# KiCad board analog_i.kicad_pcb (continued)
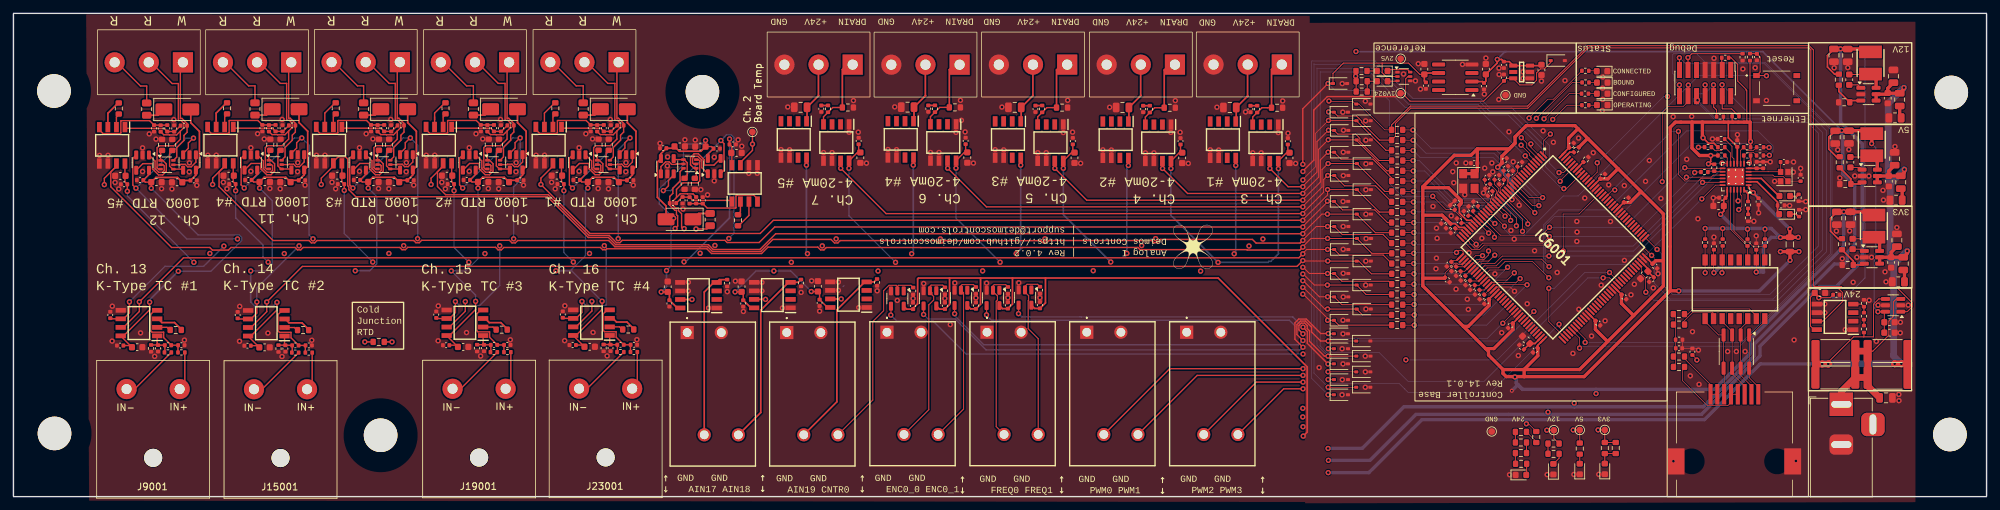
[diagram p0: board, top side]
## Routing (per net, layer and track width the routed paths; a pad name or vN(x,y) marks a point on that pad's centre or on a via; arc(x,y) is an arc through that point) (continued)
/analog_frontend/FREQ1_PRE: length 25.5
  Top w0.15: J3005.4 152.47,23.53 150.98,25.02 150.98,29.19 151.05,29.25 151.05,29.93 150.5,30.47 U3003.2 150.5,31.33 150.81,31.63 152.38,31.63 R3006.1
/analog_frontend/K-Type TC Amp1/Signal+: length 10.2
  Top w0.2: IC15001.4 39.97,27.74 39.37,27.13 39.37,24.68 39.58,24.47 41.3,24.47 41.3,23.66 C15002.1 C15001.1 43.43,22.5 R15001.2
/analog_frontend/K-Type TC Amp1/Signal-: length 4.5
  Top w0.2: C15002.2 41.45,22.54 C15003.1 ; C15003.1 40.33,22.67 IC15001.1 ; C15003.1 40.44,22.57 R15003.1 ; 41.53,22.47 41.48,22.43 41.48,21.47
/analog_frontend/K-Type TC Amp2/Signal+: length 10.2
  Top w0.2: R19001.2 72.98,22.57 73.01,22.6 C19002.1 70.85,23.73 70.85,24.54 69.13,24.54 68.92,24.75 68.92,27.2 69.53,27.81 IC19001.4
/analog_frontend/K-Type TC Amp2/Signal-: length 4.5
  Top w0.2: 70.01,22.62 69.88,22.74 IC19001.1 ; 70.01,22.62 69.98,22.64 R19003.1 ; 70.01,22.62 71.01,22.62 C19002.2 ; 71.08,22.53 71.03,22.5 71.03,21.53
/analog_frontend/K-Type TC Amp3/Signal+: length 10.2
  Top w0.2: IC23001.4 88.35,27.83 87.75,27.22 87.75,24.78 87.95,24.57 89.67,24.57 89.67,23.76 C23002.1 C23001.1 91.81,22.6 91.81,21.55
/analog_frontend/K-Type TC Amp3/Signal-: length 4.5
  Top w0.2: R23003.1 88.81,22.66 C23003.1 ; C23002.2 89.83,22.64 C23003.1 ; 89.86,21.56 89.86,22.52 89.9,22.56 ; C23003.1 88.71,22.76 IC23001.1
/analog_frontend/K-Type TC Amp/Signal+: length 10.2
  Top w0.2: R9001.2 24.48,22.53 C9001.1 C9002.1 22.35,23.69 22.35,24.5 20.63,24.5 20.42,24.71 20.42,27.16 21.02,27.76 IC9001.4
/analog_frontend/K-Type TC Amp/Signal-: length 4.5
  Top w0.2: C9003.1 21.38,22.7 IC9001.1 ; C9003.1 22.5,22.57 C9002.2 ; C9003.1 21.48,22.59 R9003.1 ; 22.57,22.49 22.54,22.45 22.54,21.49
/analog_frontend/PWM0: length 92.1
  Top w0.1: v1(237.48,33.39) 238.94,31.93 IC6001.97 ; D1021.1 195.61,18.58 v1(195.59,18.6)
  Top w0.2: v1(191.87,19.06) 172.04,19.06 J3002.3
  In2.Cu w0.1: v1(207.17,20.37) 206.02,19.22 196.21,19.22 v1(195.59,18.6)
  In2.Cu w0.2: 191.86,19.13 192.39,18.6 v1(195.59,18.6)
  Bottom w0.1: 237.45,33.41 237.48,33.44 v1(237.48,33.39) 233.79,33.39 220.77,20.37 v1(207.17,20.37)
/analog_frontend/PWM1: length 74.8
  Top w0.1: v1(229.97,25.68) 229.97,25.26 IC6001.75 ; v1(195.6,17.44) 195.61,17.43 D1022.1
  Top w0.2: v1(191.87,18.06) 176.12,18.06 J3002.4
  In2.Cu w0.2: v1(195.6,17.44) 194.91,18.13 191.86,18.13
  Bottom w0.1: 207.02,16.02 206.9,16.15 ; 207.02,16.02 206.17,16.87 196.17,16.87 v1(195.6,17.44) ; 207.02,16.02 207.55,15.5 219.76,15.5 229.95,25.68 v1(229.97,25.68) 229.97,25.7 229.96,25.69
/analog_frontend/PWM2: length 124
  Top w0.1: IC6001.139 232.22,49.15 230.13,47.05 v1(230.13,46.98) ; D1023.1 v1(195.61,16.29)
  Top w0.2: v1(191.87,17.06) 184.91,17.06 J3003.3
  In2.Cu w0.2: v1(195.61,16.29) 194.77,17.13 191.86,17.13
  Bottom w0.1: v1(195.61,16.29) 193.5,18.4 193.5,64.47 193.55,64.42 202.35,64.42 207.9,58.87 218.16,58.87 219.63,57.4 222.63,57.4 227.95,52.08 227.95,49.16 v1(230.13,46.98) 230.12,46.99
/analog_frontend/PWM3: length 116.1
  Top w0.1: D1024.1 v1(195.6,15.17) ; v1(229.96,48.28) 230.64,48.28 IC6001.140
  Top w0.2: v1(191.87,16.06) 188.99,16.06 J3003.4
  In2.Cu w0.2: v1(195.6,15.17) 194.64,16.13 191.86,16.13
  Bottom w0.1: 219.65,57.91 222.96,57.91 228.51,52.36 228.51,49.69 229.91,48.29 229.93,48.29 v1(229.96,48.28) 229.95,48.29 229.94,48.29 ; 219.65,57.91 218.24,59.32 208.22,59.32 202.62,64.92 193.2,64.92 193.12,64.85 193.12,17.65 v1(195.6,15.17) ; 219.65,57.91 219.56,57.91
/analog_frontend/RTD Amp1/rtd_amp_inner/250uA_SINK_1: length 16.9
  Top w0.2: U13001.6 72.91,50.62 72.91,52.03 73.98,53.1 73.98,53.85 74.45,54.31 R13005.2 74.45,55.62 73.68,56.38 73.45,56.38 73.45,64.72 73.76,65.03 ; 73.45,65.64 73.81,66
/analog_frontend/RTD Amp1/rtd_amp_inner/250uA_SINK_2: length 25.9
  Top w0.2: 73.44,54.47 73.44,53.27 72.47,52.3 70.28,52.3 69.98,52 69.98,49.02 70.18,48.82 70.51,48.82 ; 73.44,54.47 73.97,55 73.97,55.65 73.55,56.07 73.15,56.07 73.15,61.58 72.13,61.58 68.68,65.03 ; 73.44,54.47 72.89,53.92 71.83,53.92 71.81,53.94 70.98,53.94 R13004.2
/analog_frontend/RTD Amp1/rtd_amp_inner/R+: length 9
  Top w0.2: R13003.2 68.44,61.2 67.42,61.2 63.6,65.03
/analog_frontend/RTD Amp1/rtd_amp_inner/Signal+: length 12.8
  Top w0.2: IC13001.4 61.39,54.67 61.94,54.12 64.48,54.12 64.59,54.23 64.59,55.99 64.65,56.04 68.87,56.04 C13001.2 C13002.1
/analog_frontend/RTD Amp1/rtd_amp_inner/Signal-: length 8.9
  Top w0.2: IC13001.1 65.38,54.9 69.95,54.9 69.97,54.88 71.03,54.88 C13002.2 72.52,54.42 C13003.1 72.58,54.4 R13005.1
/analog_frontend/RTD Amp2/rtd_amp_inner/250uA_SINK_1: length 17
  Top w0.2: 57.51,65.05 57.11,64.65 57.11,56.38 57.35,56.38 58.11,55.62 R17005.2 58.11,54.31 57.65,53.85 57.65,53.1 56.57,52.03 56.57,50.62 U17001.6 ; 57.11,65.64 57.47,66
/analog_frontend/RTD Amp2/rtd_amp_inner/250uA_SINK_2: length 25.8
  Top w0.2: 57.11,54.47 57.63,55 57.63,55.65 57.21,56.07 56.81,56.07 56.81,61.58 55.9,61.58 52.43,65.05 ; 57.11,54.47 56.55,53.92 55.49,53.92 55.47,53.94 54.64,53.94 R17004.2 ; 57.11,54.47 57.11,53.27 56.13,52.3 53.94,52.3 53.64,52 53.64,49.02 53.84,48.82 U17001.3
/analog_frontend/RTD Amp2/rtd_amp_inner/R+: length 8.9
  Top w0.2: R17003.2 52.1,61.2 51.19,61.2 47.35,65.05
/analog_frontend/RTD Amp2/rtd_amp_inner/Signal+: length 12.8
  Top w0.2: C17002.1 C17001.2 52.54,56.04 48.31,56.04 48.26,55.99 48.26,54.23 48.14,54.12 45.6,54.12 45.05,54.67 IC17001.4
/analog_frontend/RTD Amp2/rtd_amp_inner/Signal-: length 8.9
  Top w0.2: R17005.1 56.24,54.4 C17003.1 56.18,54.42 C17002.2 54.7,54.88 53.63,54.88 53.61,54.9 49.05,54.9 IC17001.1
/analog_frontend/RTD Amp3/rtd_amp_inner/250uA_SINK_1: length 17
  Top w0.2: U21001.6 40.41,50.62 40.41,52.03 41.48,53.1 41.48,53.85 41.94,54.31 R21005.2 41.94,55.62 41.18,56.38 40.94,56.38 40.94,64.62 41.34,65.02 ; 40.94,65.64 41.31,66
/analog_frontend/RTD Amp3/rtd_amp_inner/250uA_SINK_2: length 25.8
  Top w0.2: 40.94,54.47 41.47,55 41.47,55.65 41.05,56.07 40.64,56.07 40.64,61.58 39.7,61.58 36.26,65.02 ; 40.94,54.47 40.94,53.27 39.97,52.3 37.78,52.3 37.48,52 37.48,49.02 37.68,48.82 U21001.3 ; 40.94,54.47 40.39,53.92 39.33,53.92 39.31,53.94 38.47,53.94 R21004.2
/analog_frontend/RTD Amp3/rtd_amp_inner/R+: length 8.9
  Top w0.2: R21003.2 35.94,61.2 35,61.2 31.18,65.02
/analog_frontend/RTD Amp3/rtd_amp_inner/Signal+: length 12.8
  Top w0.2: IC21001.4 28.89,54.67 29.44,54.12 31.98,54.12 32.09,54.23 32.09,55.99 32.15,56.04 36.37,56.04 C21001.2 C21002.1
/analog_frontend/RTD Amp3/rtd_amp_inner/Signal-: length 8.9
  Top w0.2: IC21001.1 32.88,54.9 37.44,54.9 37.47,54.88 38.53,54.88 C21002.2 40.02,54.42 C21003.1 40.08,54.4 R21005.1
/analog_frontend/RTD Amp4/rtd_amp_inner/250uA_SINK_1: length 17
  Top w0.2: 25.23,65.02 24.84,64.63 24.84,56.36 25.07,56.36 25.84,55.59 R25005.2 25.84,54.29 25.38,53.83 25.38,53.08 24.3,52 24.3,50.6 U25001.6 ; 24.84,65.61 25.2,65.97
/analog_frontend/RTD Amp4/rtd_amp_inner/250uA_SINK_2: length 25.9
  Top w0.2: 24.83,54.45 24.28,53.89 23.22,53.89 23.2,53.92 22.36,53.92 R25004.2 ; 24.83,54.45 24.83,53.24 23.86,52.27 21.67,52.27 21.37,51.97 21.37,49 21.57,48.8 21.89,48.8 ; 24.83,54.45 25.36,54.97 25.36,55.62 24.93,56.05 24.54,56.05 24.54,61.55 23.62,61.55 20.15,65.02
/analog_frontend/RTD Amp4/rtd_amp_inner/R+: length 8.9
  Top w0.2: 15.07,65.02 18.91,61.18 19.82,61.18 R25003.2
/analog_frontend/RTD Amp4/rtd_amp_inner/Signal+: length 12.8
  Top w0.2: IC25001.4 12.78,54.64 13.33,54.09 15.87,54.09 15.98,54.21 15.98,55.96 16.04,56.02 20.26,56.02 C25001.2 C25002.1
/analog_frontend/RTD Amp4/rtd_amp_inner/Signal-: length 8.9
  Top w0.2: IC25001.1 16.77,54.88 21.34,54.88 21.36,54.86 22.43,54.86 C25002.2 23.91,54.39 C25003.1 23.96,54.38 R25005.1
/analog_frontend/RTD Amp/rtd_amp_inner/250uA_SINK_1: length 17.6
  Top w0.2: 90.05,65.04 89.78,64.78 89.78,56.38 90.02,56.38 90.78,55.62 R5005.2 90.78,54.31 90.33,53.85 90.33,53.1 89.25,52.03 89.25,50.62 U5001.6 ; 89.78,65.64 90.15,66
  Top w0.25: 90.05,65.04 90.05,65.37 89.78,65.64
/analog_frontend/RTD Amp/rtd_amp_inner/250uA_SINK_2: length 26
  Top w0.2: R5004.2 87.31,53.94 88.15,53.94 88.17,53.92 89.23,53.92 89.78,54.47 ; 84.97,65.04 88.43,61.58 89.48,61.58 89.48,56.07 89.89,56.07 90.31,55.65 90.31,55 89.78,54.47 ; 89.78,54.47 89.78,53.27 88.81,52.3 86.62,52.3 86.32,52 86.32,49.02 86.52,48.82 U5001.3
/analog_frontend/RTD Amp/rtd_amp_inner/R+: length 9
  Top w0.2: 79.89,65.04 83.72,61.2 84.78,61.2 R5003.2
/analog_frontend/RTD Amp/rtd_amp_inner/Signal+: length 12.8
  Top w0.2: IC5001.4 77.73,54.67 78.28,54.12 80.82,54.12 80.94,54.23 80.94,55.99 80.99,56.04 85.21,56.04 C5001.2 C5002.1
/analog_frontend/RTD Amp/rtd_amp_inner/Signal-: length 8.9
  Top w0.2: R5005.1 88.92,54.4 C5003.1 88.86,54.42 C5002.2 87.38,54.88 86.31,54.88 86.28,54.9 81.72,54.9 IC5001.1
/analog_frontend/rtd_amp_inner1/250uA_SINK_1: length 65
  Top w0.2: U4001.6 99.18,48.42 99.18,47.02 98.11,45.94 98.11,45.19 97.65,44.73 R4005.2 97.65,43.42 98.41,42.66 98.65,42.66 98.65,42.01 98.82,41.84 98.82,40.32 v1(98.45,39.95) ; 53.53,23.05 v1(52.28,23.05)
  In1.Cu w0.2: v1(52.28,23.05) 69.17,39.95 v1(98.45,39.95)
/analog_frontend/rtd_amp_inner1/250uA_SINK_2: length 5535.6
  Top w0.2: v1(99.79,39.93) 99.62,39.93 99.41,40.14 99.41,42.15 98.95,42.61 98.95,42.97 98.55,42.97 98.13,43.39 98.13,44.04 98.65,44.57 ; U4001.3 101.91,50.22 102.11,50.02 102.11,47.05 101.81,46.75 99.62,46.75 98.65,45.77 98.65,44.57 ; 98.65,44.57 99.2,45.12 100.26,45.12 100.28,45.1 101.12,45.1 R4004.2 ; v1(101.56,39.88) 103.17,39.88 103.66,40.36 ; R3001.2 v1(56.33,23.05)
  In1.Cu w0.2: v1(99.79,39.93) 99.21,39.35 97.87,39.35 97.58,39.64 69.29,39.64 58.94,29.29 58.77,29.12 arc(140.06,17.23) 58.77,28.78 59.14,28.42 arc(140.57,16.53) 59.14,28.08 59.06,27.99 arc(140.24,16.2) 58.72,27.99 58.35,28.36 arc(139.53,16.71) 58.01,28.36 57.55,27.9 57.55,27.16 arc(138.83,15.27) 57.31,26.91 56.79,26.91 arc(137.98,15.12) 56.55,26.68 56.55,26.56 arc(137.98,14.67) 56.79,26.31 58.31,26.31 arc(139.83,14.52) 58.55,26.07 58.55,25.96 arc(139.83,14.07) 58.31,25.72 56.79,25.72 arc(137.98,13.92) 56.55,25.47 56.55,25.35 arc(137.98,13.47) 56.79,25.12 58.31,25.12 arc(139.83,13.32) 58.55,24.88 58.55,24.75 arc(139.83,12.87) 58.31,24.51 57.79,24.51 arc(138.98,12.72) 57.55,24.28 v1(56.33,23.05) 59.1,23.05 arc(140.53,11.5) 59.1,23.39 58.73,23.76 arc(140.02,12.21) 58.73,24.1 58.82,24.18 arc(140.34,12.53) 59.16,24.18 60.23,23.11 arc(141.76,11.32) 60.57,23.11 60.66,23.19 arc(142.08,11.64) 60.66,23.53 60.29,23.9 arc(141.57,12.35) 60.29,24.24 60.47,24.42 60.47,25.72 arc(141.75,14.17) 60.23,25.96 59.71,25.96 arc(140.9,14.31) 59.47,26.2 59.47,26.32 arc(140.9,14.77) 59.71,26.56 61.23,26.56 arc(142.75,14.91) 61.47,26.8 61.47,26.92 arc(142.75,15.37) 61.23,27.16 59.71,27.16 arc(140.9,15.51) 59.47,27.4 59.47,27.52 arc(140.9,15.97) 59.71,27.76 60.23,27.76 arc(141.75,16.11) 60.47,28 60.47,30.36 69.39,39.28 97.47,39.28 97.75,39 100.68,39 v1(101.56,39.88)
/analog_frontend/rtd_amp_inner1/Signal+: length 12.8
  Top w0.2: C4002.1 C4001.2 103.22,43 107.44,43 107.5,43.05 107.5,44.81 107.61,44.92 110.15,44.92 110.7,44.37 IC4001.4
/analog_frontend/rtd_amp_inner1/Signal-: length 8.9
  Top w0.2: R4005.1 99.52,44.64 C4003.1 99.58,44.62 C4002.2 101.06,44.16 102.13,44.16 102.15,44.14 106.71,44.14 IC4001.1
/base/AIN0: length 133.3
  Top w0.1: v1(195.72,58.95) 195.77,58.9 199.26,58.9 199.67,58.49 D2002.1 200.2,58.49 204.04,54.65 R6001.1
  Top w0.15: R6001.1 205.05,55.39 207.85,58.19 225.27,58.19 234.2,67.12 234.2,67.19 267.17,67.19 267.81,66.56 267.81,31.44 267.92,31.32 271.95,31.32 272.26,31.01 280.37,31.01 282.52,28.87 282.52,28.3 281.77,27.55 U8001.1
/base/AIN1: length 127.3
  Top w0.15: IC8001.7 269.23,26.14 272.16,29.08 272.16,30.38 271.54,31 267.72,31 267.43,31.29 267.43,66.58 267.15,66.86 234.3,66.86 225.31,57.87 207.89,57.87 205.62,55.61 205.62,53.7 R6002.1 203.24,53.12 200.61,55.75 200.61,55.94 199.84,56.71 197.03,56.71 D1001.1 196.42,57.32 v1(195.67,57.32)
/base/Micro/AIN0_Filt: length 33.2
  Top w0.1: R6001.2 v1(208.22,54.62) 208.2,54.65 ; C6001.1 223.78,48.33 222.96,47.52 222.96,47.11 IC6001.13 225.51,44.56 227.49,44.56 v1(227.52,44.55) 227.51,44.56 227.5,44.56
  Bottom w0.1: 208.24,54.64 v1(208.22,54.62) 210.92,51.92 220.34,51.92 223.14,49.12 223.15,49.12 227.52,44.75 v1(227.52,44.55)
/base/Micro/AIN1_Filt: length 31.9
  Top w0.1: 208.22,53.12 v1(208.25,53.1) R6002.2 ; 226.95,43.37 v1(226.96,43.36) 226,43.37 IC6001.14 222.47,46.9 222.47,47.81 C6002.1
  Bottom w0.1: v1(226.96,43.36) 226.96,44.49 220.27,51.17 210.17,51.17 v1(208.25,53.1)
/base/Micro/AIN2_Filt: length 32.9
  Top w0.1: 208.25,51.6 v1(208.25,51.57) R6003.2 ; C6003.1 221.71,47.87 222.26,47.31 222.26,47.04 222.26,47.03 222.26,46.41 IC6001.15 222.69,45.97 226.35,42.31 v1(226.36,42.31) 226.36,42.3 226.34,42.32
  Bottom w0.1: v1(226.36,42.31) 226.36,44.32 220.15,50.52 209.3,50.52 v1(208.25,51.57)
/base/Micro/AIN3_Filt: length 31.1
  Top w0.1: v1(208.25,50.07) 208.24,50.08 R6007.2 ; C6007.1 221.74,46.55 221.2,46 221.2,45.35 IC6001.18 221.64,44.91 222.27,44.28 222.27,44.17 225.3,41.14 v1(225.32,40.62) 225.3,40.64
  Bottom w0.1: v1(208.25,50.07) 209.18,50.07 214.84,44.41 221.53,44.41 v1(225.32,40.62)
/base/Micro/AIN4_Filt: length 32
  Top w0.1: 224.52,39.53 v1(224.53,39.52) 224.52,41.32 IC6001.19 220.84,44.99 220.84,45.39 220.99,45.54 220.99,45.9 220.37,46.52 C6008.1 ; 208.25,48.55 v1(208.27,48.52) R6008.2
  Bottom w0.1: v1(224.53,39.52) 224.53,41.02 221.35,44.2 214.28,44.2 209.96,48.52 v1(208.27,48.52)
/base/Micro/AIN5_Filt: length 28.5
  Top w0.1: R6004.2 v1(208.3,47.02) 208.27,47.02 ; C6004.1 220.63,45.62 220.63,45.18 220.49,45.04 220.49,44.64 IC6001.20 223.61,41.52 v1(223.62,40.34) 223.61,40.35
  Bottom w0.1: v1(208.3,47.02) 210.74,47.02 213.93,43.83 221.42,43.83 223.62,41.64 v1(223.62,40.34)
/base/Micro/AIN6_Filt: length 24
  Top w0.1: R6005.2 v1(208.3,45.47) 208.27,45.47 ; v1(222.77,41.14) 222.77,41.73 221.82,42.68 221.74,42.68 220.57,43.85 IC6001.21 220.13,44.29 220.13,45.42 C6005.1
  Bottom w0.1: v1(222.77,41.14) 222.77,42.19 221.57,43.39 213.88,43.39 211.8,45.47 v1(208.3,45.47)
/base/Micro/AIN7_Filt: length 23
  Top w0.1: C6006.1 218.91,46.61 219.53,45.99 219.53,45.3 219.89,44.94 219.89,44.44 219.78,44.33 219.78,43.93 IC6001.22 220.22,43.5 221.93,41.79 v1(221.93,41.78) 221.94,41.78 221.92,41.8 ; 208.3,43.92 v1(208.3,43.9) R6006.2
  Bottom w0.1: v1(221.93,41.78) 221.93,41.83 220.75,43.01 213.59,43.01 212.7,43.9 208.3,43.9 v1(208.3,43.9)
/base/Micro/AIN8_Filt: length 18.2
  Top w0.1: 208.3,42.4 v1(208.3,42.42) R6009.2 ; 220.41,40.69 v1(220.42,40.69) 220.21,40.69 218.81,42.08 IC6001.26 217.9,42.99 C6009.1
  Bottom w0.1: v1(220.42,40.69) 218.69,42.42 v1(208.3,42.42)
/base/Micro/AIN9_Filt: length 20.3
  Top w0.1: R6010.2 208.31,40.83 208.32,40.82 ; 220.35,38.65 v1(220.36,38.64) 220.35,39.19 219.3,40.24 219.22,40.24 219.22,40.26 IC6001.28 217.18,42.3 C6010.1 ; 208.32,40.82 208.35,40.8 v1(208.35,40.82) 208.32,40.82
  Bottom w0.1: v1(220.36,38.64) 220.36,39.18 218.72,40.82 v1(208.35,40.82)
/base/Micro/AIN10_Filt: length 17
  Top w0.1: 219.49,39.27 219.5,39.26 v1(219.49,39.26) 219.49,39.27 ; 219.49,39.27 217.74,41.02 IC6001.29 216.9,41.86 C6011.1 ; R6011.2 v1(208.35,39.35) 208.35,39.32
  Bottom w0.1: v1(219.49,39.26) 208.43,39.26 v1(208.35,39.35)
/base/Micro/AIN11_Filt: length 15.1
  Top w0.1: 208.32,37.77 v1(208.35,37.77) R6012.2 ; 217.63,37.61 v1(217.64,37.6) 215.98,39.26 IC6001.34 215.47,39.75 214.74,39.75 C6012.1
  Bottom w0.1: v1(208.35,37.77) 208.52,37.6 v1(217.64,37.6)
/base/Micro/AIN12_Filt: length 11.9
  Top w0.1: C6013.1 214.17,35.2 214.73,35.2 IC6001.37 215.7,36.17 215.7,36.48 215.54,36.64 214.95,36.64 214.71,36.4 v1(214.71,36.37) 214.68,36.37 214.7,36.39 ; 208.32,36.25 v1(208.35,36.25) R6013.2
  Bottom w0.1: v1(208.35,36.25) 208.47,36.37 v1(214.71,36.37)
/base/Micro/AIN13_Filt: length 17
  Top w0.1: R6014.2 v1(208.35,34.72) ; 218.56,35.91 218.57,35.91 v1(218.58,35.9) 218.55,35.91 217.56,35.91 IC6001.40 215.89,34.24 214.67,34.24 C6014.1
  Bottom w0.1: v1(218.58,35.9) 217.4,34.72 v1(208.35,34.72)
/base/Micro/AIN14_Filt: length 20.3
  Top w0.1: 219.46,36.61 v1(219.47,36.6) 219.46,35.99 218.77,35.3 217.66,35.3 IC6001.41 215.93,33.57 C6015.1 ; R6015.2 v1(208.37,33.2) 208.35,33.2
  Bottom w0.1: v1(219.47,36.6) 219.47,36 216.66,33.2 v1(208.37,33.2)
/base/Micro/AIN15_Filt: length 21.2
  Top w0.1: R6016.2 v1(208.37,31.65) 208.36,31.66 ; C6016.1 216.02,32.95 217.03,33.97 IC6001.42 217.47,34.4 217.47,34.41 218.15,35.09 219.5,35.09 220.38,35.97 v1(220.4,35.97) 220.4,35.99 220.39,35.98
  Bottom w0.1: v1(220.4,35.97) 216.07,31.65 v1(208.37,31.65)
/base/Micro/AIN16_Filt: length 23.8
  Top w0.1: 222.3,34.18 222.31,34.19 v1(222.31,34.17) 222.29,34.17 221.88,33.76 219.66,33.76 IC6001.46 218.01,32.12 216.78,32.12 C6017.1 ; 208.4,30.12 v1(208.4,30.1) R6017.2
  Bottom w0.1: v1(208.4,30.1) 218.23,30.1 v1(222.31,34.17)
/base/Micro/AIN17_Filt: length 25.7
  Top w0.1: 223.3,33.35 223.31,33.36 v1(223.31,33.34) 222.23,32.26 220.43,32.26 219.97,32.71 219.31,32.71 IC6001.47 218.09,31.49 C6018.1 ; 208.37,28.6 v1(208.4,28.62) R6018.2
  Bottom w0.1: v1(223.31,33.34) 218.59,28.62 v1(208.4,28.62)
/base/Micro/AIN18_Filt: length 26.5
  Top w0.1: R6019.2 v1(208.42,27.07) 208.4,27.07 ; C6019.1 218.8,30.78 IC6001.49 219.94,31.93 223.6,31.93 224.16,32.48 v1(224.18,32.48) 224.18,32.5 224.17,32.49
  Bottom w0.1: v1(224.18,32.48) 218.77,27.07 v1(208.42,27.07)
/base/Micro/AIN19_Filt: length 28.1
  Top w0.1: 208.44,25.55 208.45,25.55 208.47,25.55 208.44,25.55 R6020.2 ; C6020.1 219.86,31.12 IC6001.50 220.3,31.58 v1(225.21,31.56) 225.19,31.58
  Bottom w0.1: v1(225.21,31.56) 219.19,25.55 v1(208.42,25.55)
/base/Micro/DEBUG_RESET: length 86.6
  Top w0.1: J6001.12 249.16,58.84 248.48,58.16 246.28,58.16 245.33,57.21 v1(245.32,46.93) 245.33,47.01 ; 260.81,62.72 260.83,62.7 v1(260.83,62.71) 260.82,62.71 260.8,62.73 ; U7001.15 252.92,47.91 252.61,47.61 v1(248.91,47.59) 248.89,47.61 ; 249.12,58.74 248.99,58.87 ; 221.83,40.3 221.85,40.28 v1(221.85,40.29) 221.84,40.29 220.12,42 219.59,42 IC6001.25
  Top w0.15: v1(260.83,62.71) 260.81,62.73 S6001.A1 259.88,63.28 259.88,65.49 C6027.2 259.37,66.01 R6028.2 ; J6001.12 249.16,61.28 v1(249.2,61.32)
  In1.Cu w0.1: v1(245.32,46.93) 248.26,46.93 v1(248.91,47.59)
  Bottom w0.1: v1(260.83,62.71) 250.72,62.71 249.33,61.32 v1(249.2,61.32) 249.2,61.19 232.81,44.8 230.6,44.8 224.75,38.95 222.71,38.95 221.85,39.82 v1(221.85,40.29)
/base/Micro/DEBUG_TCK/SWCLK: length 81.3
  Top w0.1: v1(252.95,61.35) 252.97,61.33 J6001.6 ; IC6001.109 244.54,36.83 v1(244.55,36.83) 244.55,36.83 244.53,36.84
  Top w0.15: J6001.6 252.97,58.05 253.4,57.62 R6030.1
  Bottom w0.1: v1(252.95,61.35) 251.62,60.02 250.73,60.02 250,59.29 250,58.84 250.35,58.48 250.85,58.48 253.6,55.73 266.97,55.73 268.56,54.14 268.56,37.34 261.3,30.09 246.88,30.09 245.25,31.72 245.25,36.13 v1(244.55,36.83)
/base/Micro/DEBUG_TDI: length 75.3
  Top w0.1: 250.55,59.06 v1(250.57,59.06) 250.57,59.04 ; IC6001.110 242.04,38.47 242.04,37.64 v1(243.74,35.94)
  Bottom w0.1: v1(250.57,59.06) 253.35,56.28 267.13,56.28 269.14,54.27 269.14,36.77 261.8,29.43 246.5,29.43 244.13,31.8 244.13,35.6 243.79,35.94 v1(243.74,35.94)
/base/Micro/DEBUG_TDO/SWO: length 25.8
  Top w0.1: 235.64,49.75 v1(235.65,49.74) 235.64,48.33 IC6001.133 ; v1(251.7,61.35) J6001.8
  In2.Cu w0.1: v1(246.11,59.62) 249.12,59.62 249.52,60.02 250.37,60.02 v1(251.7,61.35)
  Bottom w0.1: 246.09,59.64 v1(246.11,59.62) 245.55,59.64 v1(235.65,49.74)
/base/Micro/DEBUG_TMS/SWDIO: length 79.5
  Top w0.1: 254.49,58.95 254.49,59.62 254.09,60.02 254.08,60.02 254.08,60.03 ; IC6001.105 242.2,34.24 242.2,33.24 242.84,32.6 242.84,30.49 v1(242.88,30.45) 242.86,30.47 ; v1(254.22,61.37) 254.22,61.22 254.24,61.21 J6001.4
  Top w0.15: R6029.1 255.64,57.77 254.32,57.77 254.24,57.86 J6001.4
  Top w0.25: 254.24,61.36 v1(254.22,61.37)
  Bottom w0.1: v1(242.88,30.45) 244.11,29.22 262.5,29.22 269.77,36.49 269.77,54.5 267.43,56.84 258.44,56.84 255.41,59.87 255.41,60.19 v1(254.22,61.37)
/base/Micro/Ethernet/RX+: length 17.4
  Top w0.1: v1(256.7,42.76) 257.16,43.22 257.16,44.8 256.98,44.98 U7001.23 ; 254.3,37.03 254.23,36.96 T7001.6 254.23,33.38 v1(254.2,33.36)
  In2.Cu w0.1: v1(254.2,33.36) 256.7,35.86 v1(256.7,42.76)
/base/Micro/Ethernet/RX-: length 18.1
  Top w0.1: v1(256.6,44.06) 256.48,44.18 U7001.22 ; 251.7,37.03 251.69,37.02 T7001.8 251.69,33.37 v1(251.7,33.36)
  In2.Cu w0.1: v1(256.6,44.06) 256.14,43.6 256.14,37.8 v1(251.7,33.36)
/base/Micro/Ethernet/TX+: length 13.9
  Top w0.1: T7001.1 260.58,37.32 R7018.1 260.47,37.22 258.87,37.22 258.16,37.94 257.67,37.94 255.98,39.62 U7001.21
/base/Micro/Ethernet/TX-: length 11.5
  Top w0.1: U7001.20 255.48,39.82 257.96,37.35 R7016.1 258.04,37.31 T7001.3
/base/Micro/HSECLK: length 3.8
  Top w0.1: Y6001.3 217.4,45.61 IC6001.23 219.82,43.14
/base/Micro/LED0: length 19.5
  Top w0.1: 225.56,56.48 228.29,59.21 229.12,59.21 R6023.2 ; IC6001.4 225.59,50.86 225.59,51.09 224.32,52.36 v1(224.32,52.37) 224.31,52.37 224.3,52.38
  In1.Cu w0.1: v1(224.32,52.37) 223.63,53.06 223.63,54.35 225.56,56.48 225.68,56.4
  vias: v1(225.51,56.41)
/base/Micro/LED1: length 17.3
  Top w0.1: R6025.2 231.93,61.71 v1(226.59,56.36) ; IC6001.3 226.5,50.65 226.5,50.69 225.17,52.02 225.17,52.66 v1(224.35,53.48) 224.34,53.49
  In1.Cu w0.1: v1(224.35,53.48) 224.35,54.04 226.59,56.28 v1(226.59,56.36) 226.67,56.36 226.65,56.34